# Altium PCB BCM_ECU_revA.PcbDoc (part 2 of 2) (continued)
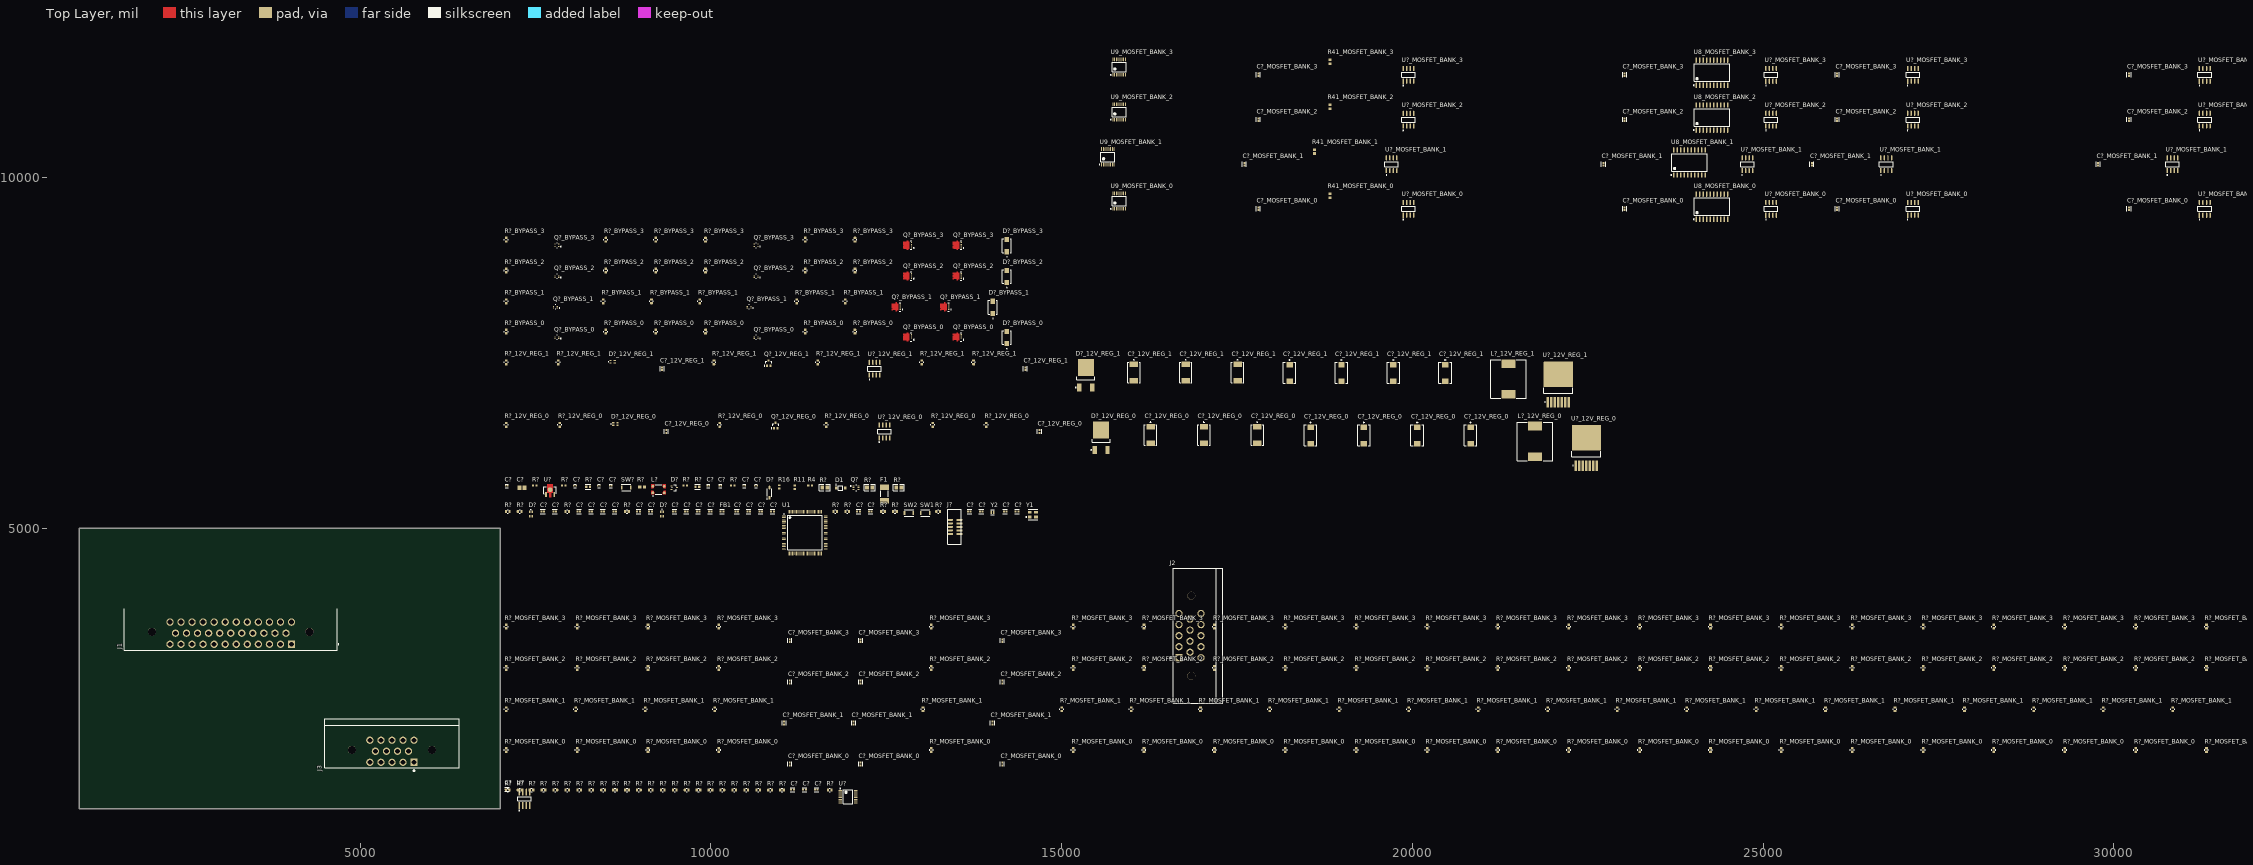
[diagram p0: Top Layer view]
## Nets (pads, with @x,y where several pads share a name; then routed paths per layer and width w, separated by ;. In a path a pad name is that pad's centre, name@x,y a point inside that pad or via, vN(x,y) a via of type N, cw(c..) or ccw(c..) an arc to the next point about the centre after c; other vN are vias at no path point) (continued)
I_nFAULT: 
I_nFAULT_12V_REG_0: R?_12V_REG_0.1@7085,6449.41 R?_12V_REG_0.2@13165,6500.59 U?_12V_REG_0.6@12500,6471.18
I_nFAULT_12V_REG_1: R?_12V_REG_1.1@7085,7339.41 R?_12V_REG_1.2@13005,7390.59 U?_12V_REG_1.6@12360,7366.18
I_nFAULT_MOSFET_BANK_0: R?_MOSFET_BANK_0.2@22230,1865.59 U?_MOSFET_BANK_0.6
I_nFAULT_MOSFET_BANK_1: R?_MOSFET_BANK_1.2@21930,2445.59 U?_MOSFET_BANK_1.6
I_nFAULT_MOSFET_BANK_2: R?_MOSFET_BANK_2.2@22230,3035.59 U?_MOSFET_BANK_2.6
I_nFAULT_MOSFET_BANK_3: R?_MOSFET_BANK_3.2@22230,3625.59 U?_MOSFET_BANK_3.6
IN_0: J1.9 R?.1@9799.41,1270 R?.2@8490.59,1270
IN_1: J1.10 R?.1@9969.41,1270 R?.2@8660.59,1270
IN_2: J1.11 R?.1@10139.41,1270 R?.2@8830.59,1270
IN_3: J1.12 R?.1@10309.41,1270 R?.2@9000.59,1270
IN_4: J1.22 R?.1@10479.41,1270 R?.2@9170.59,1270
IN_5: J1.23 R?.1@10649.41,1270 R?.2@9340.59,1270
IN_6: J1.33 R?.1@10819.41,1270 R?.2@9510.59,1270
IN_7: R?.1@10989.41,1270 R?.2@9680.59,1270
INH: R?.1@12227.6,5580
INH_EXT_0: R?_BYPASS_0.2@8505,7830.59
INH_EXT_1: R?_BYPASS_1.2@8465,8260.59
INH_EXT_2: R?_BYPASS_2.2@8505,8700.59
INH_EXT_3: R?_BYPASS_3.2@8505,9140.59
INT_5V_SENSE: R?.1@7464.41,5610 R?.1@7879.41,5610
LL_INH_12V_REG_0: R?_12V_REG_0.2@11645,6500.59
LL_INH_12V_REG_1: R?_12V_REG_1.2@11525,7390.59
M1_I_SENSE_MOSFET_BANK_0: R?_MOSFET_BANK_0.2@18190,1865.59 U?_MOSFET_BANK_0.7@31270,9646.18
M1_I_SENSE_MOSFET_BANK_1: R?_MOSFET_BANK_1.2@17970,2445.59 U?_MOSFET_BANK_1.7@30810,10281.18
M1_I_SENSE_MOSFET_BANK_2: R?_MOSFET_BANK_2.2@18190,3035.59 U?_MOSFET_BANK_2.7@31270,10916.18
M1_I_SENSE_MOSFET_BANK_3: R?_MOSFET_BANK_3.2@18190,3625.59 U?_MOSFET_BANK_3.7@31270,11556.18
M1_OUT_MOSFET_BANK_0: J1.1 Q?_BYPASS_0.5-6-7-8@13494.92,7726.48 U?_MOSFET_BANK_0.3@31320,9463.82 U?_MOSFET_BANK_0.4@31370,9463.82
M1_OUT_MOSFET_BANK_1: J1.5 U?_MOSFET_BANK_1.3@30860,10098.82 U?_MOSFET_BANK_1.4@30910,10098.82
M1_OUT_MOSFET_BANK_2: J1.15 U?_MOSFET_BANK_2.3@31320,10733.82 U?_MOSFET_BANK_2.4@31370,10733.82
M1_OUT_MOSFET_BANK_3: J1.25 U?_MOSFET_BANK_3.3@31320,11373.82 U?_MOSFET_BANK_3.4@31370,11373.82
M1_PRE_SHUNT_MOSFET_BANK_0: U8_MOSFET_BANK_0.18 U?_MOSFET_BANK_0.1@31220,9463.82 U?_MOSFET_BANK_0.2@31270,9463.82
M1_PRE_SHUNT_MOSFET_BANK_1: U8_MOSFET_BANK_1.18 U?_MOSFET_BANK_1.1@30760,10098.82 U?_MOSFET_BANK_1.2@30810,10098.82
M1_PRE_SHUNT_MOSFET_BANK_2: U8_MOSFET_BANK_2.18 U?_MOSFET_BANK_2.1@31220,10733.82 U?_MOSFET_BANK_2.2@31270,10733.82
M1_PRE_SHUNT_MOSFET_BANK_3: U8_MOSFET_BANK_3.18 U?_MOSFET_BANK_3.1@31220,11373.82 U?_MOSFET_BANK_3.2@31270,11373.82
M1_TRIG_MOSFET_BANK_0: R?_MOSFET_BANK_0.2@30310,1865.59 U8_MOSFET_BANK_0.3
M1_TRIG_MOSFET_BANK_1: R?_MOSFET_BANK_1.2@29850,2445.59 U8_MOSFET_BANK_1.3
M1_TRIG_MOSFET_BANK_2: R?_MOSFET_BANK_2.2@30310,3035.59 U8_MOSFET_BANK_2.3
M1_TRIG_MOSFET_BANK_3: R?_MOSFET_BANK_3.2@30310,3625.59 U8_MOSFET_BANK_3.3
M1_V_SENSE_MOSFET_BANK_0: R?_MOSFET_BANK_0.2@10115,1865.59
M1_V_SENSE_MOSFET_BANK_1: R?_MOSFET_BANK_1.2@10055,2445.59
M1_V_SENSE_MOSFET_BANK_2: R?_MOSFET_BANK_2.2@10115,3035.59
M1_V_SENSE_MOSFET_BANK_3: R?_MOSFET_BANK_3.2@10115,3625.59
M2_I_SENSE_MOSFET_BANK_0: R?_MOSFET_BANK_0.2@17180,1865.59 U?_MOSFET_BANK_0.7@27110,9646.18
M2_I_SENSE_MOSFET_BANK_1: R?_MOSFET_BANK_1.2@16980,2445.59 U?_MOSFET_BANK_1.7@26730,10281.18
M2_I_SENSE_MOSFET_BANK_2: R?_MOSFET_BANK_2.2@17180,3035.59 U?_MOSFET_BANK_2.7@27110,10916.18
M2_I_SENSE_MOSFET_BANK_3: R?_MOSFET_BANK_3.2@17180,3625.59 U?_MOSFET_BANK_3.7@27110,11556.18
M2_OUT_MOSFET_BANK_0: J1.2 Q?_BYPASS_1.5-6-7-8@13314.92,8156.48 U?_MOSFET_BANK_0.3@27160,9463.82 U?_MOSFET_BANK_0.4@27210,9463.82
M2_OUT_MOSFET_BANK_1: J1.6 U?_MOSFET_BANK_1.3@26780,10098.82 U?_MOSFET_BANK_1.4@26830,10098.82
M2_OUT_MOSFET_BANK_2: J1.16 U?_MOSFET_BANK_2.3@27160,10733.82 U?_MOSFET_BANK_2.4@27210,10733.82
M2_OUT_MOSFET_BANK_3: J1.26 U?_MOSFET_BANK_3.3@27160,11373.82 U?_MOSFET_BANK_3.4@27210,11373.82
M2_PRE_SHUNT_MOSFET_BANK_0: U8_MOSFET_BANK_0.17 U?_MOSFET_BANK_0.1@27060,9463.82 U?_MOSFET_BANK_0.2@27110,9463.82
M2_PRE_SHUNT_MOSFET_BANK_1: U8_MOSFET_BANK_1.17 U?_MOSFET_BANK_1.1@26680,10098.82 U?_MOSFET_BANK_1.2@26730,10098.82
M2_PRE_SHUNT_MOSFET_BANK_2: U8_MOSFET_BANK_2.17 U?_MOSFET_BANK_2.1@27060,10733.82 U?_MOSFET_BANK_2.2@27110,10733.82
M2_PRE_SHUNT_MOSFET_BANK_3: U8_MOSFET_BANK_3.17 U?_MOSFET_BANK_3.1@27060,11373.82 U?_MOSFET_BANK_3.2@27110,11373.82
M2_TRIG_MOSFET_BANK_0: R?_MOSFET_BANK_0.2@28290,1865.59 U8_MOSFET_BANK_0.5
M2_TRIG_MOSFET_BANK_1: R?_MOSFET_BANK_1.2@27870,2445.59 U8_MOSFET_BANK_1.5
M2_TRIG_MOSFET_BANK_2: R?_MOSFET_BANK_2.2@28290,3035.59 U8_MOSFET_BANK_2.5
M2_TRIG_MOSFET_BANK_3: R?_MOSFET_BANK_3.2@28290,3625.59 U8_MOSFET_BANK_3.5
M2_V_SENSE_MOSFET_BANK_0: R?_MOSFET_BANK_0.2@9105,1865.59
M2_V_SENSE_MOSFET_BANK_1: R?_MOSFET_BANK_1.2@9065,2445.59
M2_V_SENSE_MOSFET_BANK_2: R?_MOSFET_BANK_2.2@9105,3035.59
M2_V_SENSE_MOSFET_BANK_3: R?_MOSFET_BANK_3.2@9105,3625.59
M3_I_SENSE: 
M3_I_SENSE_MOSFET_BANK_0: R?_MOSFET_BANK_0.2@15165,1865.59 U?_MOSFET_BANK_0.7@25090,9646.18
M3_I_SENSE_MOSFET_BANK_1: R?_MOSFET_BANK_1.2@15005,2445.59 U?_MOSFET_BANK_1.7@24750,10281.18
M3_I_SENSE_MOSFET_BANK_2: R?_MOSFET_BANK_2.2@15165,3035.59 U?_MOSFET_BANK_2.7@25090,10916.18
M3_I_SENSE_MOSFET_BANK_3: R?_MOSFET_BANK_3.2@15165,3625.59 U?_MOSFET_BANK_3.7@25090,11556.18
M3_OUT_MOSFET_BANK_0: J1.3 Q?_BYPASS_2.5-6-7-8@13494.92,8596.48 U?_MOSFET_BANK_0.3@25140,9463.82 U?_MOSFET_BANK_0.4@25190,9463.82
M3_OUT_MOSFET_BANK_1: J1.13 U?_MOSFET_BANK_1.3@24800,10098.82 U?_MOSFET_BANK_1.4@24850,10098.82
M3_OUT_MOSFET_BANK_2: J1.17 U?_MOSFET_BANK_2.3@25140,10733.82 U?_MOSFET_BANK_2.4@25190,10733.82
M3_OUT_MOSFET_BANK_3: J1.27 U?_MOSFET_BANK_3.3@25140,11373.82 U?_MOSFET_BANK_3.4@25190,11373.82
M3_PRE_SHUNT_MOSFET_BANK_0: U8_MOSFET_BANK_0.14 U?_MOSFET_BANK_0.1@25040,9463.82 U?_MOSFET_BANK_0.2@25090,9463.82
M3_PRE_SHUNT_MOSFET_BANK_1: U8_MOSFET_BANK_1.14 U?_MOSFET_BANK_1.1@24700,10098.82 U?_MOSFET_BANK_1.2@24750,10098.82
M3_PRE_SHUNT_MOSFET_BANK_2: U8_MOSFET_BANK_2.14 U?_MOSFET_BANK_2.1@25040,10733.82 U?_MOSFET_BANK_2.2@25090,10733.82
M3_PRE_SHUNT_MOSFET_BANK_3: U8_MOSFET_BANK_3.14 U?_MOSFET_BANK_3.1@25040,11373.82 U?_MOSFET_BANK_3.2@25090,11373.82
M3_TRIG_MOSFET_BANK_0: R?_MOSFET_BANK_0.2@31320,1865.59 U8_MOSFET_BANK_0.7
M3_TRIG_MOSFET_BANK_1: R?_MOSFET_BANK_1.2@30840,2445.59 U8_MOSFET_BANK_1.7
M3_TRIG_MOSFET_BANK_2: R?_MOSFET_BANK_2.2@31320,3035.59 U8_MOSFET_BANK_2.7
M3_TRIG_MOSFET_BANK_3: R?_MOSFET_BANK_3.2@31320,3625.59 U8_MOSFET_BANK_3.7
M3_V_SENSE_MOSFET_BANK_0: R?_MOSFET_BANK_0.2@8095,1865.59
M3_V_SENSE_MOSFET_BANK_1: R?_MOSFET_BANK_1.2@8075,2445.59
M3_V_SENSE_MOSFET_BANK_2: R?_MOSFET_BANK_2.2@8095,3035.59
M3_V_SENSE_MOSFET_BANK_3: R?_MOSFET_BANK_3.2@8095,3625.59
M4_I_SENSE_MOSFET_BANK_0: R?_MOSFET_BANK_0.2@13145,1865.59 U?_MOSFET_BANK_0.7@19920,9646.18
M4_I_SENSE_MOSFET_BANK_1: R?_MOSFET_BANK_1.2@13025,2445.59 U?_MOSFET_BANK_1.7@19680,10281.18
M4_I_SENSE_MOSFET_BANK_2: R?_MOSFET_BANK_2.2@13145,3035.59 U?_MOSFET_BANK_2.7@19920,10916.18
M4_I_SENSE_MOSFET_BANK_3: R?_MOSFET_BANK_3.2@13145,3625.59 U?_MOSFET_BANK_3.7@19920,11556.18
M4_OUT_MOSFET_BANK_0: J1.4 Q?_BYPASS_3.5-6-7-8@13494.92,9036.48 U?_MOSFET_BANK_0.3@19970,9463.82 U?_MOSFET_BANK_0.4@20020,9463.82
M4_OUT_MOSFET_BANK_1: J1.14 U?_MOSFET_BANK_1.3@19730,10098.82 U?_MOSFET_BANK_1.4@19780,10098.82
M4_OUT_MOSFET_BANK_2: J1.24 U?_MOSFET_BANK_2.3@19970,10733.82 U?_MOSFET_BANK_2.4@20020,10733.82
M4_OUT_MOSFET_BANK_3: J1.28 U?_MOSFET_BANK_3.3@19970,11373.82 U?_MOSFET_BANK_3.4@20020,11373.82
M4_PRE_SHUNT_MOSFET_BANK_0: U8_MOSFET_BANK_0.13 U?_MOSFET_BANK_0.1@19870,9463.82 U?_MOSFET_BANK_0.2@19920,9463.82
M4_PRE_SHUNT_MOSFET_BANK_1: U8_MOSFET_BANK_1.13 U?_MOSFET_BANK_1.1@19630,10098.82 U?_MOSFET_BANK_1.2@19680,10098.82
M4_PRE_SHUNT_MOSFET_BANK_2: U8_MOSFET_BANK_2.13 U?_MOSFET_BANK_2.1@19870,10733.82 U?_MOSFET_BANK_2.2@19920,10733.82
M4_PRE_SHUNT_MOSFET_BANK_3: U8_MOSFET_BANK_3.13 U?_MOSFET_BANK_3.1@19870,11373.82 U?_MOSFET_BANK_3.2@19920,11373.82
M4_TRIG_MOSFET_BANK_0: R?_MOSFET_BANK_0.2@29300,1865.59 U8_MOSFET_BANK_0.9
M4_TRIG_MOSFET_BANK_1: R?_MOSFET_BANK_1.2@28860,2445.59 U8_MOSFET_BANK_1.9
M4_TRIG_MOSFET_BANK_2: R?_MOSFET_BANK_2.2@29300,3035.59 U8_MOSFET_BANK_2.9
M4_TRIG_MOSFET_BANK_3: R?_MOSFET_BANK_3.2@29300,3625.59 U8_MOSFET_BANK_3.9
M4_V_SENSE_MOSFET_BANK_0: R?_MOSFET_BANK_0.2@7085,1865.59
M4_V_SENSE_MOSFET_BANK_1: R?_MOSFET_BANK_1.2@7085,2445.59
M4_V_SENSE_MOSFET_BANK_2: R?_MOSFET_BANK_2.2@7085,3035.59
M4_V_SENSE_MOSFET_BANK_3: R?_MOSFET_BANK_3.2@7085,3625.59
NetC?_1: C?.1@11146.16,1275 C?.1@11316.16,1275 R?.2@11720.59,1270 U?.13
NetC?_2: C?.2@10150.75,5605 D?.1@10835,5438.15 R?.1@10289.41,5610
NetC?_12V_REG_0_1: C?_12V_REG_0.1@14685,6361.16 D?_12V_REG_0.4@15565,6400.24 L?_12V_REG_0.1 U?_12V_REG_0.1@22330,5895
NetC?_12V_REG_0_2: C?_12V_REG_0.2@14685,6398.84 U?_12V_REG_0.3@22430,5895
NetC?_12V_REG_1_1: C?_12V_REG_1.1@14485,7256.16 D?_12V_REG_1.4@15345,7290.24 L?_12V_REG_1.1 U?_12V_REG_1.1@21930,6800
NetC?_12V_REG_1_2: C?_12V_REG_1.2@14485,7293.84 U?_12V_REG_1.3@22030,6800
NetC?_MOSFET_BANK_0_1: C?_MOSFET_BANK_0.1@11125,1621.16 C?_MOSFET_BANK_0.1@12135,1621.16 R?_MOSFET_BANK_0.2@16175,1865.59 U9_MOSFET_BANK_0.13
NetC?_MOSFET_BANK_1_1: C?_MOSFET_BANK_1.1@11045,2206.16 C?_MOSFET_BANK_1.1@12035,2206.16 R?_MOSFET_BANK_1.2@15995,2445.59 U9_MOSFET_BANK_1.13
NetC?_MOSFET_BANK_2_1: C?_MOSFET_BANK_2.1@11125,2791.16 C?_MOSFET_BANK_2.1@12135,2791.16 R?_MOSFET_BANK_2.2@16175,3035.59 U9_MOSFET_BANK_2.13
NetC?_MOSFET_BANK_3_1: C?_MOSFET_BANK_3.1@11125,3381.16 C?_MOSFET_BANK_3.1@12135,3381.16 R?_MOSFET_BANK_3.2@16175,3625.59 U9_MOSFET_BANK_3.13
NetD?_1: D?.1@9287.28,5236.5 R?.2@8830.59,5240
NetD?_4: D?.4@9322.72,5236.5 R?.2@7980.59,5240
NetD?_12V_REG_0_1: D?_12V_REG_0.1@8608.5,6467.28 R?_12V_REG_0.2@7845,6500.59
NetD?_12V_REG_0_4: D?_12V_REG_0.4@8608.5,6502.72 R?_12V_REG_0.2@7085,6500.59
NetD?_12V_REG_1_1: D?_12V_REG_1.1@8568.5,7357.28 R?_12V_REG_1.2@7825,7390.59
NetD?_12V_REG_1_4: D?_12V_REG_1.4@8568.5,7392.72 R?_12V_REG_1.2@7085,7390.59
NetD?_BYPASS_0_1: D?_BYPASS_0.1 Q?_BYPASS_0.4@10618.43,7744.69 Q?_BYPASS_0.5-6-7-8@12784.92,7726.48 R?_BYPASS_0.1@12055,7779.41
NetD?_BYPASS_1_1: D?_BYPASS_1.1 Q?_BYPASS_1.4@10518.43,8179.69 Q?_BYPASS_1.5-6-7-8@12624.92,8156.48 R?_BYPASS_1.1@11915,8209.41
NetD?_BYPASS_2_1: D?_BYPASS_2.1 Q?_BYPASS_2.4@10618.43,8614.68 Q?_BYPASS_2.5-6-7-8@12784.92,8596.48 R?_BYPASS_2.1@12055,8649.41
NetD?_BYPASS_3_1: D?_BYPASS_3.1 Q?_BYPASS_3.4@10618.43,9054.68 Q?_BYPASS_3.5-6-7-8@12784.92,9036.48 R?_BYPASS_3.1@12055,9089.41
NetF1_2: F1.2
NetQ2_1: 
NetQ6_1: 
NetQ?_2: Q?.2 R?.2@11662.4,5580 R?.2@12302.4,5580
NetQ?_12V_REG_0_1: Q?_12V_REG_0.1 R?_12V_REG_0.1@10125,6449.41 R?_12V_REG_0.1@11645,6449.41
NetQ?_12V_REG_1_1: Q?_12V_REG_1.1 R?_12V_REG_1.1@10045,7339.41 R?_12V_REG_1.1@11525,7339.41
NetQ?_BYPASS_0_1: Q?_BYPASS_0.1@12860.12,7688.09 Q?_BYPASS_0.1@13570.12,7688.09 Q?_BYPASS_0.2@12860.12,7713.68 Q?_BYPASS_0.2@13570.12,7713.68 Q?_BYPASS_0.3@12860.12,7739.27 Q?_BYPASS_0.3@13570.12,7739.27
NetQ?_BYPASS_0_2: Q?_BYPASS_0.2@7831.57,7725 R?_BYPASS_0.1@8505,7779.41 R?_BYPASS_0.2@7085,7830.59
NetQ?_BYPASS_0_3: Q?_BYPASS_0.3@10671.57,7744.69 R?_BYPASS_0.1@9925,7779.41
NetQ?_BYPASS_0_5: Q?_BYPASS_0.5@10618.43,7725 R?_BYPASS_0.1@11345,7779.41 R?_BYPASS_0.2@12055,7830.59
NetQ?_BYPASS_1_1: Q?_BYPASS_1.1@12700.12,8118.09 Q?_BYPASS_1.1@13390.12,8118.09 Q?_BYPASS_1.2@12700.12,8143.68 Q?_BYPASS_1.2@13390.12,8143.68 Q?_BYPASS_1.3@12700.12,8169.27 Q?_BYPASS_1.3@13390.12,8169.27
NetQ?_BYPASS_1_2: Q?_BYPASS_1.2@7811.57,8160 R?_BYPASS_1.1@8465,8209.41 R?_BYPASS_1.2@7085,8260.59
NetQ?_BYPASS_1_3: Q?_BYPASS_1.3@10571.57,8179.69 R?_BYPASS_1.1@9845,8209.41
NetQ?_BYPASS_1_5: Q?_BYPASS_1.5@10518.43,8160 R?_BYPASS_1.1@11225,8209.41 R?_BYPASS_1.2@11915,8260.59
NetQ?_BYPASS_2_1: Q?_BYPASS_2.1@12860.12,8558.09 Q?_BYPASS_2.1@13570.12,8558.09 Q?_BYPASS_2.2@12860.12,8583.68 Q?_BYPASS_2.2@13570.12,8583.68 Q?_BYPASS_2.3@12860.12,8609.27 Q?_BYPASS_2.3@13570.12,8609.27
NetQ?_BYPASS_2_2: Q?_BYPASS_2.2@7831.57,8595 R?_BYPASS_2.1@8505,8649.41 R?_BYPASS_2.2@7085,8700.59
NetQ?_BYPASS_2_3: Q?_BYPASS_2.3@10671.57,8614.68 R?_BYPASS_2.1@9925,8649.41
NetQ?_BYPASS_2_5: Q?_BYPASS_2.5@10618.43,8595 R?_BYPASS_2.1@11345,8649.41 R?_BYPASS_2.2@12055,8700.59
NetQ?_BYPASS_3_1: Q?_BYPASS_3.1@12860.12,8998.09 Q?_BYPASS_3.1@13570.12,8998.09 Q?_BYPASS_3.2@12860.12,9023.68 Q?_BYPASS_3.2@13570.12,9023.68 Q?_BYPASS_3.3@12860.12,9049.27 Q?_BYPASS_3.3@13570.12,9049.27
NetQ?_BYPASS_3_2: Q?_BYPASS_3.2@7831.57,9035 R?_BYPASS_3.1@8505,9089.41 R?_BYPASS_3.2@7085,9140.59
NetQ?_BYPASS_3_3: Q?_BYPASS_3.3@10671.57,9054.68 R?_BYPASS_3.1@9925,9089.41
NetQ?_BYPASS_3_5: Q?_BYPASS_3.5@10618.43,9035 R?_BYPASS_3.1@11345,9089.41 R?_BYPASS_3.2@12055,9140.59
NetR?_1: R?.1@9610.39,5610
NetR?_2: R?.2@12480.59,5240 SW2.1
NetR?_12V_REG_0_1: R?_12V_REG_0.1@13925,6449.41 U?_12V_REG_0.5@22530,5895
NetR?_12V_REG_1_1: R?_12V_REG_1.1@13745,7339.41 U?_12V_REG_1.5@22130,6800
NetR?_MOSFET_BANK_0_1: R?_MOSFET_BANK_0.1@15165,1814.41 U9_MOSFET_BANK_0.6
NetR?_MOSFET_BANK_1_1: R?_MOSFET_BANK_1.1@15005,2394.41 U9_MOSFET_BANK_1.6
NetR?_MOSFET_BANK_2_1: R?_MOSFET_BANK_2.1@22230,2984.41 R?_MOSFET_BANK_2.1@23240,2984.41
NetR?_MOSFET_BANK_3_1: R?_MOSFET_BANK_3.1@10115,3574.41 U9_MOSFET_BANK_3.8
NetU1_1: U1.1
NetU1_2: U1.2
NetU1_3: U1.3
NetU1_4: U1.4
NetU1_5: U1.5
NetU1_7: U1.7
NetU1_17: U1.17
NetU1_18: U1.18
NetU1_22: U1.22
NetU1_23: U1.23
NetU1_24: U1.24
NetU1_25: U1.25
NetU1_28: U1.28
NetU1_29: U1.29
NetU1_30: U1.30
NetU1_31: U1.31
NetU1_32: U1.32
NetU1_33: U1.33
NetU1_34: U1.34
NetU1_35: U1.35
NetU1_36: U1.36
NetU1_37: U1.37
NetU1_38: U1.38
NetU1_39: U1.39
NetU1_40: U1.40
NetU1_41: U1.41
NetU1_42: U1.42
NetU1_43: U1.43
NetU1_44: U1.44
NetU1_45: U1.45
NetU1_46: U1.46
NetU1_47: U1.47
NetU1_51: U1.51
NetU1_52: U1.52
NetU1_53: U1.53
NetU1_54: U1.54
NetU1_55: U1.55
NetU1_56: U1.56
NetU1_57: U1.57
NetU1_58: U1.58
NetU1_59: U1.59
NetU1_60: U1.60
NetU1_61: U1.61
NetU1_62: U1.62
NetU1_63: U1.63
NetU1_64: U1.64
NetU1_65: U1.65
NetU1_66: U1.66
NetU1_67: U1.67
NetU1_68: U1.68
NetU1_69: U1.69
NetU1_70: U1.70
NetU1_71: U1.71
NetU1_77: U1.77
NetU1_78: U1.78
NetU1_79: U1.79
NetU1_80: U1.80
NetU1_81: U1.81
NetU1_82: U1.82
NetU1_83: U1.83
NetU1_84: U1.84
NetU1_85: U1.85
NetU1_86: U1.86
NetU1_87: U1.87
NetU1_88: U1.88
NetU1_90: U1.90
NetU1_91: U1.91
NetU1_92: U1.92
NetU1_93: U1.93
NetU1_95: U1.95
NetU1_96: U1.96
NetU1_97: U1.97
NetU1_98: U1.98
nINH_BYPASS_0: Q?_BYPASS_0.6@7778.43,7705.31 R?_BYPASS_0.2@11345,7830.59
nINH_BYPASS_1: Q?_BYPASS_1.6@7758.43,8140.31 R?_BYPASS_1.2@11225,8260.59
nINH_BYPASS_2: Q?_BYPASS_2.6@7778.43,8575.32 R?_BYPASS_2.2@11345,8700.59
nINH_BYPASS_3: Q?_BYPASS_3.6@7778.43,9015.32 R?_BYPASS_3.2@11345,9140.59
nPWR_FLT_LED: R?.1@7079.41,5240
PRE_CAN_N: L?.3
PRE_CAN_P: L?.2
PRE_SHUNT: 
PRE_VCC: D1.1 R?.2@12717.4,5580
PWR_IN: F1.1 J1.7 J1.8 J1.18 J1.19 J1.29 J1.30
PWR_IN_12V_REG_0: C?.2@7105.75,5605 C?_12V_REG_0.2@16270,6448.11 C?_12V_REG_0.2@17030,6448.11 C?_12V_REG_0.2@17790,6448.11 C?_12V_REG_1.2@16030,7338.11 C?_12V_REG_1.2@16770,7338.11 C?_12V_REG_1.2@17510,7338.11 R11.1 U8_MOSFET_BANK_0.1 U8_MOSFET_BANK_0.10 U8_MOSFET_BANK_0.11 U8_MOSFET_BANK_0.12 U8_MOSFET_BANK_0.15 U8_MOSFET_BANK_0.16 U8_MOSFET_BANK_0.19 U8_MOSFET_BANK_0.20 U8_MOSFET_BANK_1.1 U8_MOSFET_BANK_1.10 U8_MOSFET_BANK_1.11 U8_MOSFET_BANK_1.12 U8_MOSFET_BANK_1.15 U8_MOSFET_BANK_1.16 U8_MOSFET_BANK_1.19 U8_MOSFET_BANK_1.20 U8_MOSFET_BANK_2.1 U8_MOSFET_BANK_2.10 U8_MOSFET_BANK_2.11 U8_MOSFET_BANK_2.12 U8_MOSFET_BANK_2.15 U8_MOSFET_BANK_2.16 U8_MOSFET_BANK_2.19 U8_MOSFET_BANK_2.20 U8_MOSFET_BANK_3.1 U8_MOSFET_BANK_3.10 U8_MOSFET_BANK_3.11 U8_MOSFET_BANK_3.12 U8_MOSFET_BANK_3.15 U8_MOSFET_BANK_3.16 U8_MOSFET_BANK_3.19 U8_MOSFET_BANK_3.20 U?.3@7769.06,5480.63 U?_12V_REG_0.2@22380,5895 U?_12V_REG_1.2@21980,6800
PWR_MOSFET: Q?.6 R?.1@12642.6,5580
R_LED: R?.1@7929.41,5240 U1.16
REG_nINH_12V_REG_0: Q?_12V_REG_0.3 U?_12V_REG_0.7@22630,5895
REG_nINH_12V_REG_1: Q?_12V_REG_1.3 U?_12V_REG_1.7@22230,6800
RESETN: C?.2@12293.84,5240 J?.10 R?.1@12599.41,5240 R?.2@11970.59,5240 U1.14
RP_MOS_LINK: D1.2 R4.1
STAT_12_MOSFET_BANK_0: R?_MOSFET_BANK_0.1@20210,1814.41 R?_MOSFET_BANK_0.2@26270,1865.59 U8_MOSFET_BANK_0.8
STAT_12_MOSFET_BANK_1: R?_MOSFET_BANK_1.1@19950,2394.41 R?_MOSFET_BANK_1.2@25890,2445.59 U8_MOSFET_BANK_1.8
STAT_12_MOSFET_BANK_2: R?_MOSFET_BANK_2.1@20210,2984.41 R?_MOSFET_BANK_2.2@26270,3035.59 U8_MOSFET_BANK_2.8
STAT_12_MOSFET_BANK_3: R?_MOSFET_BANK_3.1@20210,3574.41 R?_MOSFET_BANK_3.2@26270,3625.59 U8_MOSFET_BANK_3.8
STAT_34_MOSFET_BANK_0: R?_MOSFET_BANK_0.1@21220,1814.41 R?_MOSFET_BANK_0.2@24250,1865.59 U8_MOSFET_BANK_0.4
STAT_34_MOSFET_BANK_1: R?_MOSFET_BANK_1.1@20940,2394.41 R?_MOSFET_BANK_1.2@23910,2445.59 U8_MOSFET_BANK_1.4
STAT_34_MOSFET_BANK_2: R?_MOSFET_BANK_2.1@21220,2984.41 R?_MOSFET_BANK_2.2@24250,3035.59 U8_MOSFET_BANK_2.4
STAT_34_MOSFET_BANK_3: R?_MOSFET_BANK_3.1@21220,3574.41 R?_MOSFET_BANK_3.2@24250,3625.59 U8_MOSFET_BANK_3.4
SWCLK: J?.4 R?.1@13214.41,5240 U1.76
SWDIO: J?.2 U1.72
SWO: J?.6 U1.89
TEMP_SENSE_MOSFET_BANK_0: R41_MOSFET_BANK_0.1 R?_MOSFET_BANK_0.1@19200,1814.41
TEMP_SENSE_MOSFET_BANK_1: R41_MOSFET_BANK_1.1 R?_MOSFET_BANK_1.1@18960,2394.41
TEMP_SENSE_MOSFET_BANK_2: R41_MOSFET_BANK_2.1 R?_MOSFET_BANK_2.1@19200,2984.41
TEMP_SENSE_MOSFET_BANK_3: R41_MOSFET_BANK_3.1 R?_MOSFET_BANK_3.1@19200,3574.41
VCC_SENSE: R11.2 R16.2
VDDA: C?.2@7623.84,5240 C?.2@7793.84,5240 C?.2@9498.84,5240 C?.2@9668.84,5240 FB1.2 U1.20 U1.21
X32_N: C?.2@13873.84,5240 U1.9 Y2.2
X32_P: C?.2@13703.84,5240 U1.8 Y2.1
X_N: C?.2@14213.84,5240 U1.13 Y1.1
X_P: C?.2@14383.84,5240 U1.12 Y1.3
pads on no net: C?.1@8389.25,5605 C?.2@8478.84,5240 C?.2@8590.75,5605 C?.2@8648.84,5240 C?.2@8988.84,5240 C?.2@9158.84,5240 D?.1@7417.28,5236.5 D?.4@7452.72,5236.5 J1. J2. J2.3 J2.12 J3. J3.3 J3.12 J?.7 J?.8 J?.9 Q?.3 Q?.4 Q?.5 Q?_BYPASS_0.1@10671.57,7705.31 Q?_BYPASS_0.2@10671.57,7725 Q?_BYPASS_0.3@7831.57,7744.69 Q?_BYPASS_0.4@7778.43,7744.69 Q?_BYPASS_0.5@7778.43,7725 Q?_BYPASS_0.6@10618.43,7705.31 Q?_BYPASS_1.1@10571.57,8140.31 Q?_BYPASS_1.2@10571.57,8160 Q?_BYPASS_1.3@7811.57,8179.69 Q?_BYPASS_1.4@7758.43,8179.69 Q?_BYPASS_1.5@7758.43,8160 Q?_BYPASS_1.6@10518.43,8140.31 Q?_BYPASS_2.1@10671.57,8575.32 Q?_BYPASS_2.2@10671.57,8595 Q?_BYPASS_2.3@7831.57,8614.68 Q?_BYPASS_2.4@7778.43,8614.68 Q?_BYPASS_2.5@7778.43,8595 Q?_BYPASS_2.6@10618.43,8575.32 Q?_BYPASS_3.1@10671.57,9015.32 Q?_BYPASS_3.2@10671.57,9035 Q?_BYPASS_3.3@7831.57,9054.68 Q?_BYPASS_3.4@7778.43,9054.68 Q?_BYPASS_3.5@7778.43,9035 Q?_BYPASS_3.6@10618.43,9015.32 R?.1@8224.38,5595 R?.2@7130.59,5240 R?.2@7300.59,5240 R?.2@9659.61,5610 R?.2@9835.62,5595 R?.2@10340.59,5610 R?.2@12650.59,5240 R?_MOSFET_BANK_0.1@7085,1814.41 R?_MOSFET_BANK_0.1@8095,1814.41 R?_MOSFET_BANK_0.1@9105,1814.41 R?_MOSFET_BANK_0.1@10115,1814.41 R?_MOSFET_BANK_0.1@13145,1814.41 R?_MOSFET_BANK_0.1@17180,1814.41 R?_MOSFET_BANK_0.1@18190,1814.41 R?_MOSFET_BANK_0.1@22230,1814.41 R?_MOSFET_BANK_0.1@23240,1814.41 R?_MOSFET_BANK_0.1@24250,1814.41 R?_MOSFET_BANK_0.1@25260,1814.41 R?_MOSFET_BANK_0.1@26270,1814.41 R?_MOSFET_BANK_0.1@27280,1814.41 R?_MOSFET_BANK_0.1@28290,1814.41 R?_MOSFET_BANK_0.1@29300,1814.41 R?_MOSFET_BANK_0.1@30310,1814.41 R?_MOSFET_BANK_0.1@31320,1814.41 R?_MOSFET_BANK_1.1@7085,2394.41 R?_MOSFET_BANK_1.1@8075,2394.41 R?_MOSFET_BANK_1.1@9065,2394.41 R?_MOSFET_BANK_1.1@10055,2394.41 R?_MOSFET_BANK_1.1@13025,2394.41 R?_MOSFET_BANK_1.1@16980,2394.41 R?_MOSFET_BANK_1.1@17970,2394.41 R?_MOSFET_BANK_1.1@21930,2394.41 R?_MOSFET_BANK_1.1@22920,2394.41 R?_MOSFET_BANK_1.1@23910,2394.41 R?_MOSFET_BANK_1.1@24900,2394.41 R?_MOSFET_BANK_1.1@25890,2394.41 R?_MOSFET_BANK_1.1@26880,2394.41 R?_MOSFET_BANK_1.1@27870,2394.41 R?_MOSFET_BANK_1.1@28860,2394.41 R?_MOSFET_BANK_1.1@29850,2394.41 R?_MOSFET_BANK_1.1@30840,2394.41 R?_MOSFET_BANK_2.1@7085,2984.41 R?_MOSFET_BANK_2.1@8095,2984.41 R?_MOSFET_BANK_2.1@9105,2984.41 R?_MOSFET_BANK_2.1@10115,2984.41 R?_MOSFET_BANK_2.1@13145,2984.41 R?_MOSFET_BANK_2.1@15165,2984.41 R?_MOSFET_BANK_2.1@17180,2984.41 R?_MOSFET_BANK_2.1@18190,2984.41 R?_MOSFET_BANK_2.1@24250,2984.41 R?_MOSFET_BANK_2.1@25260,2984.41 R?_MOSFET_BANK_2.1@26270,2984.41 R?_MOSFET_BANK_2.1@27280,2984.41 R?_MOSFET_BANK_2.1@28290,2984.41 R?_MOSFET_BANK_2.1@29300,2984.41 R?_MOSFET_BANK_2.1@30310,2984.41 R?_MOSFET_BANK_2.1@31320,2984.41 R?_MOSFET_BANK_3.1@7085,3574.41 R?_MOSFET_BANK_3.1@8095,3574.41 R?_MOSFET_BANK_3.1@9105,3574.41 R?_MOSFET_BANK_3.1@13145,3574.41 R?_MOSFET_BANK_3.1@15165,3574.41 R?_MOSFET_BANK_3.1@17180,3574.41 R?_MOSFET_BANK_3.1@18190,3574.41 R?_MOSFET_BANK_3.1@22230,3574.41 R?_MOSFET_BANK_3.1@23240,3574.41 R?_MOSFET_BANK_3.1@24250,3574.41 R?_MOSFET_BANK_3.1@25260,3574.41 R?_MOSFET_BANK_3.1@26270,3574.41 R?_MOSFET_BANK_3.1@27280,3574.41 R?_MOSFET_BANK_3.1@28290,3574.41 R?_MOSFET_BANK_3.1@29300,3574.41 R?_MOSFET_BANK_3.1@30310,3574.41 R?_MOSFET_BANK_3.1@31320,3574.41 SW1.1 SW?.2 U1.48 U1.73 U9_MOSFET_BANK_0.4 U9_MOSFET_BANK_0.5 U9_MOSFET_BANK_0.7 U9_MOSFET_BANK_0.8 U9_MOSFET_BANK_0.9 U9_MOSFET_BANK_0.10 U9_MOSFET_BANK_0.11 U9_MOSFET_BANK_1.4 U9_MOSFET_BANK_1.5 U9_MOSFET_BANK_1.7 U9_MOSFET_BANK_1.8 U9_MOSFET_BANK_1.9 U9_MOSFET_BANK_1.10 U9_MOSFET_BANK_1.11 U9_MOSFET_BANK_2.4 U9_MOSFET_BANK_2.5 U9_MOSFET_BANK_2.6 U9_MOSFET_BANK_2.7 U9_MOSFET_BANK_2.8 U9_MOSFET_BANK_2.9 U9_MOSFET_BANK_2.10 U9_MOSFET_BANK_2.11 U9_MOSFET_BANK_3.4 U9_MOSFET_BANK_3.5 U9_MOSFET_BANK_3.6 U9_MOSFET_BANK_3.7 U9_MOSFET_BANK_3.9 U9_MOSFET_BANK_3.10 U9_MOSFET_BANK_3.11

## Text inside footprints (layer, text, board x,y; h text height)
J2: Top 3D Body "PCB EDGE" at 17194.99,3302.43 h50.07 r90
J3: Top 3D Body "PCB EDGE" at 5622.57,2187.2 h50.07 r180